# KiCad board MAXI030.kicad_pcb (continued)
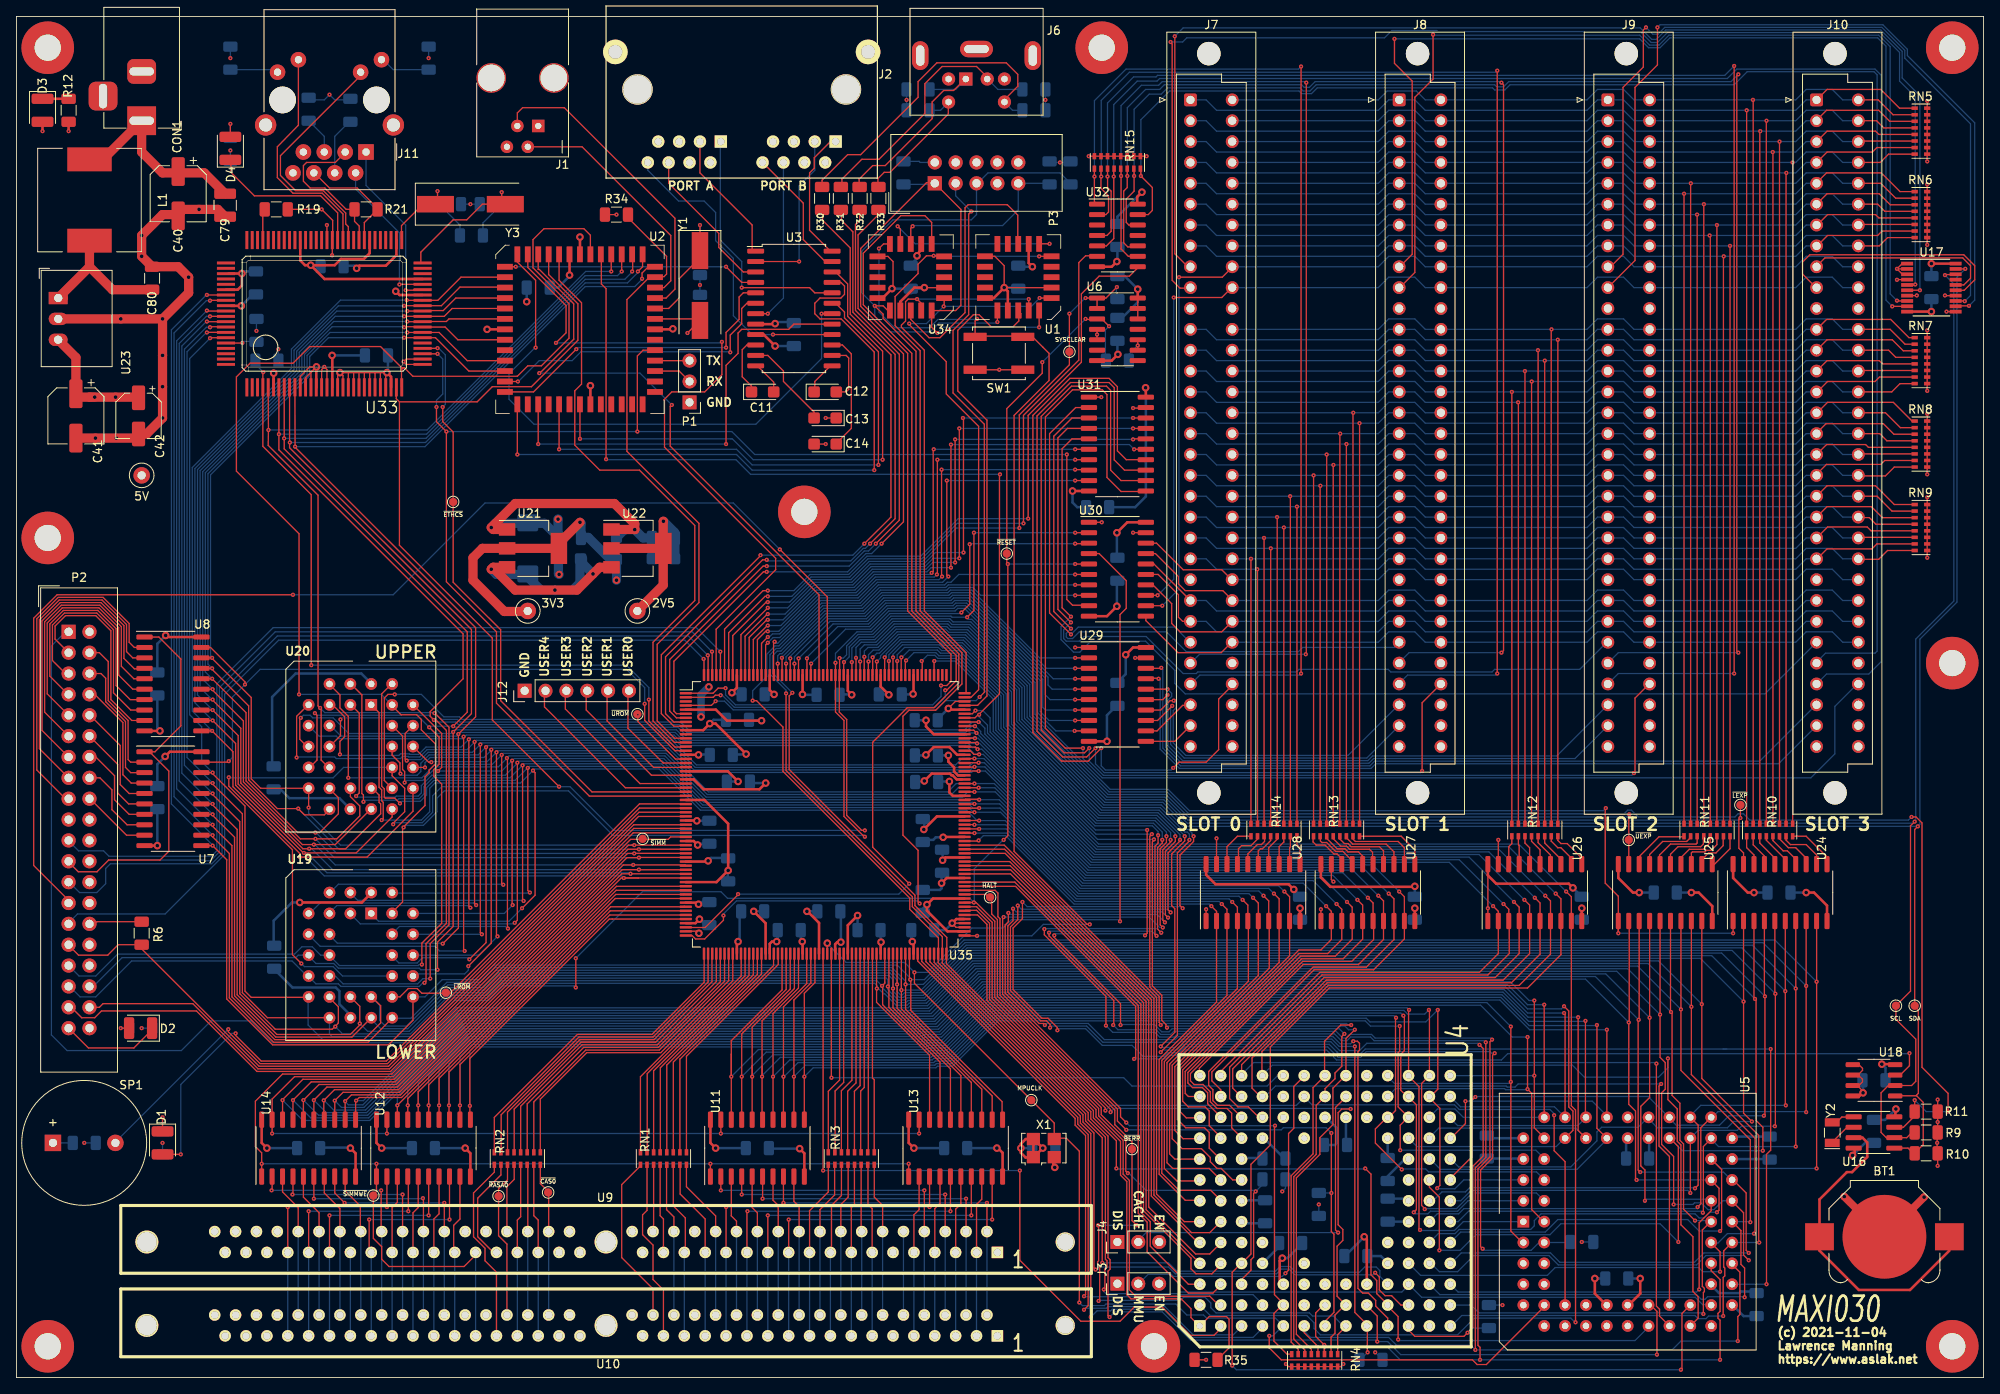
[diagram p0: board, top side]
## Nets (continued)
Net-(U2-Pad21): U2.21 U3.21
Net-(U2-Pad23): U2.23 U3.17
Net-(U2-Pad25): U2.25 U3.19
Net-(U2-Pad27): U2.27 U3.22
Net-(U18-Pad1): U18.1 Y2.2
Net-(U18-Pad2): U18.2 Y2.1

Pads without a net: J2 A2 A7 B2 B7; J6 7; J7 a24 c28 c30 c31; J8 a24 c28 c30 c31; J9 a24 c28 c30 c31; J10 a24 c28 c30 c31; J11 R7; P2 28 32 34; P3 6 7 8; U1 6 7 12 13 15 16 17; U2 16 22 24 26 29 30 31 32 33 34 35 39; U4 C2 D3 D5 E12 F4 F10 J12 J13 K5 M1 M2; U5 15; U6 6 8 11; U9 11 35 36 37 38 46 48 66 67 68 69 70 71 ctr lg sm; U10 11 35 36 37 38 46 48 66 67 68 69 70 71 ctr lg sm; U17 17; U32 3 11; U33 1 2 3 35 48 49 53 54 55 56 60 66 67 68 69 71 72 73 74 75 76 78 79 80 81 82 84 85 97 98 99 100; U34 6 7 15 16 17; U35 3 11 181 182 183 185 186 188 190 209 211 213

## Via types
v1: diameter 0.508, hole 0.203, Top to Bottom, 786 vias
v2: diameter 0.914, hole 0.457, Top to Bottom, 137 vias

## Routing (per net, layer and track width the routed paths; a pad name or vN(x,y) marks a point on that pad's centre or on a via; arc(x,y) is an arc through that point)
+2V5: length 139.2
  Top w0.305: U35.150 112.02,68.33 v2(110.43,66.74) ; U35.89 97.68,55.36 96.27,56.77 v2(96.2,56.77) ; 114.59,54.33 U35.122 113.31,54.33 110.81,56.83 v2(110.81,57.59) 111.54,58.33 U35.130 ; v2(110.69,80.04) 110.69,79.27 111.64,78.33 U35.170 ; 115.06,72.83 114.43,72.83 113.92,73.34 113.79,73.34 113.6,73.53 111.38,73.53 v2(110.49,72.64) ; v2(102.36,56.26) 101.18,55.07 U35.96 ; v2(90.68,79.98) 86.46,79.98 85.12,81.33 U35.5 ; v2(89.73,56.77) 91.18,55.32 U35.76 ; U35.47 85.2,60.33 v2(86.61,61.75) 86.61,67.44 83.72,70.33 U35.27 ; v2(87.82,72.58) 86.57,73.83 U35.20
  Top w1.118: v2(78.74,104.27) 78.72,104.24 U22.2 78.72,96.5 TP2.1 ; 78.55,101.03 78.49,100.97 72.42,100.97
  Vcc.Cu w0.914: v2(90.68,79.98) 85.95,79.98 75.57,90.37 TP2.1
  Bottom w0.305: 110.49,68.07 110.49,66.8 v2(110.43,66.74) ; v2(86.61,61.75) 86.56,61.7 86.56,60.48 ; C62.1 v2(96.2,56.77) ; C68.1 86.47,72.58 v2(87.82,72.58) ; C1.1 v2(89.73,56.77) ; v2(110.49,72.64) 110.43,72.58 109.4,72.58 ; C7.1 110.3,57.09 v2(110.81,57.59) ; v2(110.69,80.04) C3.1 ; v2(90.68,79.98) 89.2,79.98 ; C53.1 v2(102.36,56.26)
  Bottom w1.118: C38.1 80.14,99.83 80.01,99.69 ; v2(78.74,104.27) 80.07,102.93 80.07,102.36
+3V3: length 271.1
  Top w0.152: U34.5 110.5,132.71 v2(110.49,132.72) ; U1.14 119.06,136.53 120.21,135.38 v2(120.21,132.72) U1.5 ; 105.02,136.52 U34.14 106.06,136.52 106.68,135.89 106.68,132.72 ; U35.59 81.49,54.36 82.8,54.36 v2(83.06,54.1)
  Top w0.305: U1.20 120.65,132.27 v2(120.21,132.72) 118.94,131.44 U1.18 ; 107.57,129.92 107.57,131 109.28,132.72 v2(110.49,132.72) ; 106.68,132.72 v2(106.55,132.59) 105.4,131.44 U34.18 ; U35.140 113.05,63.33 v2(112.71,62.99) ; v2(113.41,75.76) 113.41,74.99 114.11,74.3 114.11,73.8 114.58,73.33 U35.160 ; 109.18,85.54 109.18,83.29 v2(109.12,83.24) ; v2(101.65,83.13) 101.18,83.61 U35.205 ; v2(82.91,64.85) 82.42,65.33 U35.37 ; v2(83.01,75.82) 83,75.83 U35.16 ; v2(92.52,53.09) 91.95,53.09 91.68,52.81 U35.77 ; v2(92.2,83.19) 91.68,83.71 U35.224 ; 109.18,51.62 109.18,52.94 v2(109.03,53.09) ; U35.57 82.64,55.33 v2(83.12,55.82)
  Top w1.118: 65.98,100.84 65.85,100.97 U21.2 56.71,100.97 55.56,99.82 55.56,97.09 59.37,93.28 62.17,93.28 ; U21.2 66.02,101.58 v2(68.58,104.14)
  Vcc.Cu w0.914: 67.37,92.71 67.37,90.03 70.26,87.15 74.84,87.15 83.22,78.77 ; 108.14,138.62 108.14,147.7 110.55,150.11 112.2,150.11 ; 108.2,138.62 108.27,138.56 108.27,134.3 v2(106.55,132.59) 106.49,132.52 106.49,107.82 95.69,97.03 73.09,97.03 v2(73.03,97.09) 72.96,97.03 72.14,97.03 67.82,92.71 67.31,92.71 66.68,93.34 TP1.1 ; 112.2,150.11 114.3,148.02 P3.4 ; 112.2,150.11 112.9,150.11 114.55,151.77 123.19,151.77 v1(127,147.96)
  Vcc.Cu w1.118: v2(120.21,132.72) 118.62,134.3 108.27,134.3
  Bottom w0.152: v1(127,147.96) 127.64,147.96 127.77,148.09 R26.1 ; v1(127,147.96) 125.86,147.96 R27.1 ; v1(127,147.96) 127,147.89
  Bottom w0.305: v2(120.21,132.72) 121.92,132.72 ; v2(110.49,132.72) 110.36,132.59 C61.1 106.56,132.59 v2(106.55,132.59) ; 84.28,55.09 83.85,55.09 v2(83.12,55.82) ; C65.1 108.9,53.22 v2(109.03,53.09) ; C8.1 v2(113.41,75.76) ; v2(101.65,83.13) 101.6,83.19 100.28,83.19 100.18,83.08 ; C69.1 83.06,65 v2(82.91,64.85) ; 107.75,83.08 107.85,83.19 109.07,83.19 v2(109.12,83.24) ; v2(92.52,53.09) 92.65,53.21 92.65,54.23 ; 84.38,75.87 83.06,75.87 v2(83.01,75.82) ; v2(112.71,62.99) 112.71,64.2 ; v2(92.2,83.19) 91.19,83.19
  Bottom w0.914: C61.1 108.84,132.33 ; v2(84.26,84.1) 83.31,83.15 v2(83.31,80.44)
  Bottom w1.118: v2(68.58,104.14) 68.71,104.01 C35.1 ; 68.83,102.3 69.6,102.3 72.28,99.62 C36.1 v2(73.03,97.09)
+5VD: length 507.7
  Top w0.152: U4.D10 151.45,29.15 ; 99.78,116.84 v1(98.49,116.84) ; v1(232.54,127.51) 232.54,126.75 232.53,126.74 232.53,120.14 v1(232.54,120.14) ; v1(232.54,137.92) 232.53,137.92 232.53,144.52 232.54,144.53 v1(232.54,145.29) ; v1(232.54,148.08) 232.53,148.08 232.53,154.68 232.54,154.69 v1(232.54,155.45) ; 179.07,62.23 v1(179.07,57.15) U26.1 ; R10.1 233.81,25.78 v1(233.81,25.78) ; 136.46,131.51 136.46,131.51 U6.13 136.46,128.84 136.4,128.78 ; 131.51,127 v1(131.51,127) ; 131.51,127 131.51,127.7 131.51,127.7 ; 131.51,127 U6.5 ; U17.14 234.72,131.74 v1(234.7,131.76) ; v1(232.54,117.35) 232.54,116.59 232.53,116.58 232.53,109.98 v1(232.54,109.98) ; 233.74,27.37 v1(233.74,28.58) 233.74,29.78 233.81,29.85 v1(233.81,31.11) ; 136.46,125.73 136.46,125.67 v1(136.46,125.67) ; 136.46,125.73 U6.10 ; 136.46,125.73 136.46,125.03 136.46,125.03 ; v1(234.89,129.79) 234.89,129.79 U17.11 ; v1(233.81,31.11) 233.81,31.12 ; v1(233.81,31.11) R11.1 233.81,33.84 v1(233.81,33.85) ; v1(161.48,1.65) 161.17,1.34 RN4.16 ; v1(228.85,133.67) 228.88,133.69 230.09,133.69 ; 230.09,131.74 231.24,131.74 v1(231.27,131.76) ; 223.77,38.1 224.22,38.1 224.66,37.66 224.66,37.4 224.09,36.83 U16.6 ; v1(137.54,148.72) 137.54,148.72 RN15.9 136.84,148.72 RN15.16 130.49,148.72 v1(130.49,148.72) ; 160.78,1.33 160.78,1.34 RN4.9 154.81,1.34 v1(154.5,1.65) ; v2(224.73,34.67) 224.73,34.86 224.09,35.5 224.16,35.5 224.66,36 224.66,36.32 224.16,36.83 223.65,36.83 ; U33.16 37.79,122.74 v1(37.47,123.06) 37.14,122.74 U33.15 ; v1(232.54,99.82) 232.53,99.82 RN9.9 232.53,106.36 232.54,106.36 v1(232.54,107.19) ; U31.1 v1(132.02,119.38) ; U33.65 37.79,140.33 v1(37.78,140.34) ; U30.1 v1(132.08,104.14) ; U28.1 v1(144.78,57.02) ; U29.1 v1(128.84,88.9) ; U27.1 v1(158.75,57.02) ; U33.31 47.45,123.37 v1(47.12,123.7) 47.43,124.02 U33.32 ; 143.38,2.16 v1(144.78,2.16) ; R34.2 v1(73.03,141.6)
  Top w0.305: 90.36,127 90.93,127 v2(92.33,125.6) ; 193.48,8.83 192.09,10.22 v2(192.09,12.06) ; v2(228.73,32.7) 228.66,32.64 228.66,31.75 ; v2(135,88.01) 135.89,88.9 U29.20 ; v2(170.18,59.82) 170.12,59.75 159.89,59.75 158.75,60.9 158.75,62.17 ; 22.42,90.17 18.35,90.17 v2(18.16,90.36) ; U7.20 18.67,76.2 v2(18.1,75.63) ; U14.20 29.85,28.58 v2(30.48,27.94) ; U33.6 31.29,122.29 v2(31.31,122.3) ; U11.20 84.46,28.58 v2(85.09,27.94) ; v2(109.22,27.94) 108.59,28.58 108.59,31.43 U13.20 ; U24.20 208.92,60.83 210.69,59.06 v2(211.46,59.06) ; U12.20 43.82,28.58 v2(44.45,27.94) ; U33.47 37.49,133.77 v2(35.81,135.45) ; v2(34.48,57.85) 42.04,57.85 43.18,58.99 U19.32 ; v2(35.81,135.45) 38.74,135.45 39.5,136.21 42.29,136.21 42.99,136.91 U33.57 ; v2(35.81,135.45) 35.12,135.45 34.54,136.02 U33.70 ; v2(197.49,59.06) 196.72,59.06 194.94,60.83 U25.20 ; v2(155.45,59.44) 154.81,60.07 145.92,60.07 144.78,61.21 144.78,62.36 144.84,62.42 ; U33.17 38.44,124.44 v2(38.42,124.46) ; U16.8 224.28,34.29 224.73,34.73 v2(224.73,34.67) ; U31.20 137.45,120.49 v2(137.41,120.52) ; v2(136.46,132.52) 136.46,131.51 ; U30.20 135.19,104.14 v2(133.92,102.87) ; 123.76,26.8 122.81,26.8 122.24,27.37 v2(122.24,27.94) 122.24,28.45 122.83,29.04 X1.4 ; 123.76,26.8 123.83,26.86 ; 123.76,26.8 X1.4 ; D3.2 v1(3.18,151.77) ; 179.13,62.42 179.07,62.36 179.07,61.15 180.09,60.13 188.91,60.13 v2(189.42,59.63) ; X1.4 123.8,29.04 v2(124.9,27.94) 123.8,26.84 X1.1 ; v2(233.05,135.64) 235.97,135.64 ; v2(136.97,144.34) 136.4,143.76 136.4,142.94 ; v2(27.37,130.49) 26.1,130.49 ; U2.2 v2(67.31,134.24)
  Top w1.118: 14.61,119.38 v2(12.07,119.38) 8.89,119.38 ; 8.89,119.38 v2(9.53,119.38) ; 8.89,119.38 7.65,119.38 7.24,119.79 7.24,124.21 U23.3 ; U21.3 58.03,98.66 v2(57.79,98.43) 58.17,98.43 60.71,95.88 68.2,95.88 v2(70.17,97.85) 70.98,98.66 72.42,98.66
  Bottom w0.152: R16.2 108.33,155.58 v1(108.33,155.58) 108.33,155.57 R15.2 ; R14.2 125.23,155.58 v1(125.22,155.58) 125.23,155.57 R13.2 ; R23.2 v1(50.17,160.66) ; v1(136.46,125.67) 135.38,124.59 R5.2 ; R7.1 v1(15.24,42.55) ; 154.44,24.13 154.44,23.05 v1(154.05,22.67) ; R28.1 166.25,2.18 v1(165.35,3.07) ; R24.2 v1(26.04,160.66) ; R22.1 v1(26.04,149.42) ; R29.1 v1(158.5,21.08) ; R4.1 v1(190.5,16.51) ; U9.59 U10.59 ; U10.10 U9.10 ; R8.1 v1(180.85,8.83)
  Bottom w0.305: v2(92.33,125.6) 92.33,125.6 C16.1 ; v2(137.41,120.52) 137.45,120.49 137.45,107.28 136.14,105.98 C49.1 ; U4.K10 166.88,26.92 166.75,26.8 ; C17.1 195.89,28.83 196.15,29.08 ; v2(170.18,59.82) C43.1 ; C82.1 169.61,18.99 ; C19.1 134.56,129.03 136.46,130.94 v2(136.46,132.52) 134.87,134.12 R1.1 ; v2(18.1,75.63) 17.15,74.68 C22.1 ; v2(109.22,27.94) 112.9,27.94 112.97,28 ; v2(197.49,59.06) 199.39,59.06 ; v2(27.37,130.49) 28.77,131.89 C55.1 ; v2(122.24,27.94) C45.1 ; C30.1 v2(233.05,135.64) ; v2(30.48,27.94) 33.97,27.94 ; v2(211.46,59.06) 213.36,59.06 ; C18.1 209.05,29.34 208.92,29.21 ; U4.H11 161.8,28.77 162.05,28.51 ; 166.88,13.97 166.05,14.8 C72.1 ; C81.1 153.67,15.94 151.7,13.97 ; C23.1 17.15,89.34 v2(18.16,90.36) ; C15.1 65.91,132.72 67.31,134.11 v2(67.31,134.24) ; v2(34.48,57.85) 33.53,57.85 31.31,55.63 31.31,52.45 ; 179.13,29.4 179.39,29.15 U5.61 ; 154.31,26.67 151.83,29.15 U4.D10 ; C77.1 210.19,7.49 208.92,8.76 ; 43.18,84.52 41.97,85.72 33.97,85.72 31.12,82.87 31.12,74.3 31.18,74.23 ; v2(189.42,59.63) 190.5,58.55 C46.1 ; C51.1 133.99,141.35 v2(136.97,144.34) ; v2(133.92,102.87) 133.92,99.89 C50.1 ; v2(135,88.01) 135,85.66 133.99,84.65 C52.1 ; v2(228.73,32.7) 227.4,31.38 C29.1 ; 149.16,18.99 149.36,18.79 151.96,18.79 ; v2(35.81,135.45) 36.83,135.45 36.89,135.38 ; v2(44.45,27.94) 48.01,27.94 ; v2(38.42,124.46) 42.48,124.46 ; C47.1 156.21,58.67 v2(155.45,59.44) ; v2(85.09,27.94) 88.65,27.94 ; 166.88,29.08 167,29.21 ; C73.1 v2(192.09,12.06) ; v2(224.73,34.67) 224.73,36.07
  Bottom w1.118: v2(65.53,95.88) 63.82,95.88 62.23,97.47 C34.1 ; v2(65.53,95.88) 67.69,95.88 68.58,96.77 68.58,99.57 ; v2(65.53,95.88) 65.53,95.82 ; v2(57.79,98.43) 58.42,97.79 62.23,97.79 ; v2(70.17,97.85) 68.9,99.12 68.9,99.76
GNDA: length 560
  Top w0.152: v1(119.6,122.71) 116.94,122.71 ; v1(119.6,122.71) SW1.2 ; v1(119.6,122.71) 119.63,122.75 ; C14.2 v1(98.49,113.66) ; v1(38.42,136.65) 38.44,136.67 U33.64 ; U33.26 44.29,122.33 44.32,122.36 ; v2(113.41,81.47) 114.27,82.33 U35.178 ; U33.23 42.34,122.32 ; v2(36.51,123.06) 35.69,123.06 34.54,121.92 U33.11 ; v2(36.51,123.06) 35.19,121.74 U33.12 ; v2(36.51,123.06) 35.84,122.39 U33.13 ; U35.123 114.33,54.83 113.86,55.31 v2(113.88,55.33) U35.124 ; U30.19 v1(135.89,102.87) ; U28.19 v1(146.05,65.66) ; 230.09,134.99 228.87,134.99 v1(228.85,135) ; U33.20 40.39,122.31 ; 230.09,135.64 229.49,135.64 v1(228.85,135) ; v1(228.85,135) 229.52,134.34 230.09,134.34 ; U29.19 v1(136.14,87.63) ; U33.18 39.09,122.08 v2(39.37,122.36) ; R19.1 v1(37.15,142.24) 38.48,140.91 38.48,138.94 ; U33.22 41.69,122.33 ; v1(135.89,118.05) 137.54,118.05 137.6,118.11 137.45,118.11 ; 43.56,122.36 43.69,122.36 43.64,122.32 U33.25 ; 43.56,122.36 v2(45.09,122.36) ; 43.56,122.36 v2(39.37,122.36) ; 9.53,55.25 9.79,55.51 R6.1 ; U33.19 39.74,121.99 v2(39.37,122.36) ; U33.27 44.94,122.22 ; U33.24 42.99,122.36 ; U33.21 41.04,122.32 ; v1(160.27,60.39) 160.02,60.64 U27.19 ; U26.19 v1(180.34,65.47)
  Top w0.305: v2(109.6,136.59) 109.6,136.78 110.17,137.35 110.17,137.96 U34.10 ; 89.97,128.27 92.27,128.27 v2(92.33,128.33) ; U1.10 123.19,135.7 v2(123.63,135.25) ; U35.216 95.68,83.2 v2(95.66,83.19) ; U33.44 46.62,131.81 v2(46.16,132.27) ; v2(87.82,53.09) 87.68,52.94 87.68,51.62 ; v2(40.64,27.94) 41.28,27.31 U14.10 ; v2(95.63,53.09) 95.68,53.04 U35.85 ; U35.155 113.96,70.83 113.54,71.25 v2(113.54,72.58) ; U2.40 79.82,127.63 v2(79.88,127.7) ; v2(233.05,129.79) 230.31,129.79 ; U33.28 45.59,121.86 v2(45.09,122.36) 44.94,122.22 ; v2(100.33,53.02) 99.89,53.02 99.63,52.77 99.63,51.88 ; v2(36.51,123.06) 36.49,123.04 U33.14 ; v2(113.88,55.33) 114.38,55.83 U35.125 ; 126.17,26.86 126.17,25.78 v2(126.37,25.59) 126.43,25.65 ; U35.22 82.42,72.83 82.42,72.83 83.63,71.63 90.42,71.63 v2(91.19,72.39) ; v2(227.01,38.16) 228.41,38.16 ; R12.2 v1(6.35,151.77) ; 119.38,28 120.02,27.37 120.02,24.13 ; v2(87.07,83.39) 87.68,83.99 87.68,85.54 ; v2(110.68,75.82) 111.63,76.77 113.54,76.77 114.48,75.83 U35.165 ; v2(105.22,53.02) 105.18,52.98 U35.104 ; U35.176 113.55,81.33 v2(113.41,81.47) ; v2(84.18,62.92) 84.09,62.83 U35.42 ; U2.28 v2(69.85,120.78) ; v2(88.8,75.92) 85.09,79.63 v2(84.38,79.63) 83.58,78.83 U35.10 ; v2(112.78,65.79) 112.82,65.83 U35.145 ; U35.135 113.22,60.83 v2(112.59,60.2) ; 223.71,27.81 223.71,27.31 v2(223.46,27.05) ; v2(128.52,107.95) 130.52,107.95 ; U26.10 v2(190.5,57.15) ; v2(156.21,57.15) 156.21,55.25 ; U2.14 v2(57.28,127.63) ; U12.10 55.25,27.31 v2(54.61,27.94) ; U30.10 132.72,92.71 v2(133.92,93.92) ; v2(197.61,12.06) 197.61,10.22 196.22,8.83 ; U11.10 95.89,27.31 v2(95.31,27.88) ; 154.18,11.24 153.73,11.68 153.73,14.22 v2(154.05,14.54) ; U2.1 68.58,136.72 v2(68.58,138.87) ; v2(134.05,124.59) 133.29,123.83 U6.7 ; U35.197 105.18,84.13 v2(106.17,83.13) ; v2(203.84,59.06) 204.72,59.06 206.38,57.4 U25.10 ; v2(17.46,78.74) 16.13,78.74 ; v2(170.18,57.15) 170.18,55.88 ; U33.86 26.93,132.47 27.43,132.97 v2(27.43,134.43) 25.84,134.43 ; 164.34,11.62 164.34,16.83 v2(164.02,17.15) ; v2(217.81,59.06) 218.76,59.06 220.34,57.47 220.34,55.88 ; v2(133.92,135.89) 133.29,135.25 U32.7 ; v2(82.8,67.79) 82.77,67.83 U35.32 ; U29.10 v2(132.72,77.47) ; v2(17.15,64.77) 15.43,64.77 ; v2(83.01,57.63) 82.81,57.83 U35.52 ; U33.52 46.24,136.66 44.96,135.38 41.72,135.38 v2(41.4,135.06)
  Top w0.914: v2(232.16,21.97) BT1.2 v2(222.44,22.03)
  Top w1.118: C41.2 v2(9.62,114.39) 14.7,114.39 14.86,114.55 ; 72.42,103.27 75.23,103.27 v2(75.25,103.25) 75.25,103.95 72.77,106.43 60.71,106.43 v2(57.79,103.5) 58.03,103.27 U21.1 ; v2(17.78,128.91) v2(12.7,128.91) U23.2 ; v2(17.78,128.91) v2(17.78,124.46) v2(17.78,120.65) v2(17.78,116.84) 15.83,114.89 C42.2 ; v2(17.78,128.91) 20.96,132.08 v2(20.96,133.99) 19.69,135.25 C80.2 v2(15.24,136.53) v2(15.24,139.06) 17.78,141.6 19.69,141.6 20.32,142.24 v2(22.23,142.24) 24.51,142.24 C79.2
  Bottom w0.152: R20.1 31.88,125.22 v1(31.88,125.22) ; 40.64,155.58 38.74,155.58 v1(38.1,156.21) 37.47,155.58 35.56,155.58 ; v1(55.25,142.88) 56.26,142.88 ; 54.67,142.88 55.18,142.88 ; C30.2 233.04,131.31 ; C9.2 v1(83.19,133.03) 83.19,131.7 ; 9.66,28.58 v1(8.26,28.58) ; R17.1 v1(29.21,127.44) ; R25.2 109.85,148.09 ; 109.85,148.09 109.86,148.08 ; 109.85,148.09 109.98,147.96 P3.2 ; R3.1 v1(17.78,28.58)
  Bottom w0.305: v2(92.33,128.33) 92.52,128.52 94.49,128.52 ; 108.9,135.57 109.6,136.27 v2(109.6,136.59) ; v2(123.63,135.25) 121.92,135.25 ; v2(82.8,67.79) 84.28,67.79 ; C73.2 v2(197.61,12.06) ; C33.2 32.13,71.62 33.21,70.55 39.31,70.55 U20.16 ; v2(84.38,79.63) 84.84,80.09 C70.2 ; v2(95.63,53.09) 95.45,53.27 95.45,54.23 ; C75.2 149.42,21.59 149.29,21.46 ; 88.29,83.24 87.22,83.24 v2(87.07,83.39) ; v2(91.19,72.39) 89.22,72.39 ; v2(154.05,14.54) 154.69,14.54 156.47,16.32 C81.2 ; C30.2 v2(233.05,129.79) ; 206.31,11.37 U5.30 206.25,11.24 207.2,10.29 209.68,10.29 209.87,10.48 211.2,10.48 211.26,10.41 ; C82.2 169.16,21.79 169.35,21.59 ; v2(113.41,81.47) 112.22,80.28 112.22,80.01 ; v2(190.5,57.15) 190.5,55.88 ; C27.2 v2(119.32,27.94) 119.38,28 ; v2(83.01,57.63) 83.27,57.89 84.28,57.89 ; C55.2 27.69,134.69 v2(27.43,134.43) ; C28.2 227.46,37.72 v2(227.01,38.16) ; v2(41.4,135.06) 41.08,135.38 39.88,135.38 ; C8.2 110.62,75.76 v2(110.68,75.82) ; v2(17.46,78.74) 17.15,79.06 C23.2 ; C65.2 113.03,54.48 v2(113.88,55.33) 113.73,55.18 ; v2(100.33,53.02) 100.33,56.58 100.27,56.64 ; v2(84.18,62.92) 84.53,63.27 86.56,63.27 ; 36.96,28 40.58,28 v2(40.64,27.94) ; 88.01,56.77 88.01,53.28 v2(87.82,53.09) ; v2(112.78,65.79) 111.89,65.79 111.57,65.47 110.49,65.47 110.17,65.15 ; v2(132.72,77.47) 132.72,80.65 133.86,81.78 C52.2 ; 133.99,126.43 133.99,124.65 v2(134.05,124.59) ; v2(223.46,27.05) 224.98,28.58 C29.2 ; C26.2 v2(54.61,27.94) ; v2(105.22,53.02) 105.16,53.08 C53.2 ; v2(133.92,93.92) 133.92,96.96 ; C54.2 95.71,83.13 v2(95.66,83.19) ; C47.2 v2(156.21,57.15) ; 213.36,26.67 213.3,26.61 U5.41 ; C22.2 v2(17.15,64.77) ; C76.2 160.46,28.32 160.72,28.58 160.72,30.35 159.26,31.81 ; v2(95.31,27.88) 91.63,27.88 ; 105.16,83.08 105.26,83.19 106.12,83.19 v2(106.17,83.13) ; C43.2 v2(170.18,57.15) ; U4.L9 168.97,26.61 166.69,24.32 ; 112.01,72.52 112.08,72.58 v2(113.54,72.58) ; C45.2 126.43,25.78 126.37,25.71 v2(126.37,25.59) ; 133.99,137.67 133.99,135.95 v2(133.92,135.89) ; C56.2 45.22,122.49 v2(45.09,122.36) ; v2(164.02,17.15) 161.67,14.8 C72.2 ; v2(128.52,107.95) 128.52,106.55 129.1,105.98 130.05,105.98 ; U19.16 40.64,44.13 39.31,45.47 39.31,47.05 38.86,47.5 33.59,47.5 31.24,49.85 ; 151.64,26.74 149.23,26.74 U4.C9 ; C17.2 198.69,29.02 198.69,29.02 ; v2(203.84,59.06) 201.93,59.06 ; 112.65,61.4 112.59,61.34 v2(112.59,60.2) 112.59,59.57 112.4,59.38 C7.2 ; C74.2 183.58,26.67 ; C15.2 v2(62.1,131) ; v2(88.8,75.92) 88.75,75.87 87.17,75.87 ; 86.87,79.98 86.72,80.14 ; C44.2 v2(217.81,59.06)
  Bottom w1.118: v2(65.91,104.52) 65.91,104.52 C35.2 ; 77.47,99.69 77.34,99.83 C38.2 ; 66.04,99.69 66.04,102.24 64.26,104.02 58.3,104.02 v2(57.79,103.5) ; 77.28,102.24 76.26,102.24 v2(75.25,103.25) 74.01,103.25 73.07,102.31 C36.2 ; C37.2 65.96,97.87 v2(66.04,97.79)
  vias: v2(12.16,114.39)
/FPGA/USER0: length 12.9
  Top w0.152: U35.18 78.71,74.83 78.68,74.87 74.42,79.06 74.42,83.19
/FPGA/USER1: length 15
  Top w0.152: 81.28,74.3 77.53,74.3 71.88,79.95 71.88,83.19
/FPGA/USER2: length 17.3
  Top w0.152: 81.47,73.41 81.41,73.34 77.28,73.34 69.34,81.28 69.34,83.19
/FPGA/USER3: length 19.8
  Top w0.152: 66.8,83.19 66.8,81.41 75.88,72.33 81.03,72.33
/FPGA/USER4: length 22.9
  Top w0.152: 81.53,71.82 74.1,71.82 64.26,81.66 64.26,83.19
/IDE/IDED0: length 17.6
  Top w0.152: 15.43,74.93 13.91,74.93 13.59,75.25 13.59,80.01 11.18,82.42 11.18,87.19 10.1,88.27 P2.4
/IDE/IDED1: length 16.7
  Top w0.152: 15.59,73.66 13.91,73.66 13.27,74.3 13.27,79.88 10.86,82.3 10.86,85.15 10.29,85.72 8.83,85.72
/IDE/IDED2: length 14.7
  Top w0.152: 15.37,72.39 13.97,72.39 12.95,73.41 12.95,79.76 9.53,83.19 P2.8
/IDE/IDED3: length 13.5
  Top w0.152: 15.37,71.12 15.49,71.12 13.72,71.12 12.64,72.2 12.64,76.96 8.95,80.65 P2.10
/IDE/IDED4: length 12.2
  Top w0.152: P2.12 12.32,74.68 12.32,71.18 13.65,69.85 U7.6
/IDE/IDED5: length 11
  Top w0.152: 15.3,68.52 15.24,68.58 13.72,68.58 11.94,70.36 11.94,73.28 9.65,75.56 P2.14
/IDE/IDED6: length 10.6
  Top w0.152: P2.16 10.16,73.03 11.62,71.56 11.62,69.15 13.46,67.31 15.75,67.31
/IDE/IDED7: length 8.3
  Top w0.152: P2.18 8.95,70.49 13.4,66.04 15.37,66.04
/IDE/IDED8: length 40.9
  Top w0.152: P2.17 5.97,70.49 2.48,73.98 2.48,92.39 5.08,95 10.54,95 13.72,91.82 13.72,89.53 14.35,88.9 14.73,88.9
/IDE/IDED9: length 39.3
  Top w0.152: 6.29,73.09 2.79,76.58 2.79,92.27 5.21,94.68 10.41,94.68 13.4,91.69 13.4,88.39 14.16,87.63 U8.3
/IDE/IDED10: length 36.4
  Top w0.152: P2.13 3.11,78.8 3.11,92.14 5.33,94.36 10.29,94.36 13.08,91.57 13.08,87.57 14.35,86.3 14.86,86.3 14.92,86.36
/IDE/IDED11: length 34
  Top w0.152: P2.11 3.43,81.03 3.43,92.01 5.46,94.04 10.16,94.04 12.76,91.44 12.76,86.61 14.29,85.09 14.92,85.09
/IDE/IDED12: length 32.3
  Top w0.152: 15.49,83.82 14.16,83.82 12.45,85.53 12.45,91.31 10.03,93.73 5.59,93.73 3.75,91.88 3.75,83.25 P2.9
/IDE/IDED13: length 30.3
  Top w0.152: U8.7 13.84,82.55 12.13,84.26 12.13,91.19 9.91,93.41 5.72,93.41 4.06,91.76 4.06,85.41 6.29,83.19
/IDE/IDED14: length 28.1
  Top w0.152: P2.5 5.97,85.72 4.38,87.31 4.38,91.63 5.84,93.09 9.78,93.09 11.81,91.06 11.81,83.38 13.91,81.28 15.49,81.28 15.56,81.22
/IDE/IDED15: length 25.5
  Top w0.152: U8.9 14.03,80.01 11.49,82.55 11.49,90.93 9.65,92.77 5.97,92.77 4.7,91.5 4.7,89.92 P2.3
/SIMM/SD0: length 41.6
  Top w0.152: v1(118.11,21.27) U9.2 ; U11.8 v1(93.34,21.27)
  Bottom w0.152: U9.2 U10.2 ; v1(93.34,21.27) v1(118.11,21.27)
/SIMM/SD1: length 41.4
  Top w0.152: U11.6 v1(90.81,21.78) ; v1(115.57,21.78) 115.57,17.97
  Bottom w0.152: U10.4 U9.4 ; v1(90.81,21.78) v1(115.57,21.78)
/SIMM/SD2: length 41.6
  Top w0.152: U11.4 v1(88.27,22.29) ; v1(113.03,22.29) 113.03,17.91 113.09,17.84
  Bottom w0.152: U10.6 U9.6 ; v1(88.27,22.29) v1(113.03,22.29)
/SIMM/SD3: length 41.2
  Top w0.152: v1(110.49,22.8) 110.49,18.22 ; v1(85.73,22.8) U11.2
  Bottom w0.152: v1(85.73,22.8) v1(110.49,22.8) ; U9.8 U10.8
/SIMM/SD4: length 17.2
  Top w0.152: 94.62,24.77 94.62,21.46 95.25,20.83 95.25,18.03
  Bottom w0.152: U9.20 U10.20
/SIMM/SD5: length 17.4
  Top w0.152: U9.22 92.71,20.95 92.08,21.59 92.08,24.77
  Bottom w0.152: U9.22 U10.22
/SIMM/SD6: length 17.5
  Top w0.152: 90.04,17.78 90.17,17.91 90.17,20.07 89.54,20.7 89.54,24.77
  Bottom w0.152: U10.24 U9.24
/SIMM/SD7: length 16.9
  Top w0.152: 87,24.13 87,19.69 87.63,19.05 87.63,17.65
  Bottom w0.152: U9.26 U10.26
/SIMM/SD8: length 19.5
  Top w0.152: U12.9 53.98,19.3 53.21,18.54 53.21,15.49
  Bottom w0.152: U10.49 U9.49
/SIMM/SD9: length 19.5
  Top w0.152: 51.44,24.48 51.44,19.94 50.8,19.3 50.8,15.37
  Bottom w0.152: U9.51 U10.51
/SIMM/SD10: length 19.5
  Top w0.152: 48.26,15.37 48.26,20.07 48.9,20.7 U12.5
  Bottom w0.152: U9.53 U10.53
/SIMM/SD11: length 19.7
  Top w0.152: U12.3 46.36,21.34 45.72,20.7 U9.55
  Bottom w0.152: U9.55 U10.55
/SIMM/SD12: length 29.2
  Top w0.152: 43.12,15.3 42.93,15.49 v1(42.93,19.24) ; v1(52.71,19.24) U12.8
  Bottom w0.152: v1(52.71,19.24) v1(42.93,19.24) ; U9.57 U10.57
/SIMM/SD13: length 31.6
  Top w0.152: v1(38.1,19.75) U9.61 ; v1(50.17,19.75) 50.17,24.64
  Bottom w0.152: v1(50.17,19.75) v1(38.1,19.75) ; U9.61 U10.61
/SIMM/SD14: length 31.3
  Top w0.152: v1(47.69,20.26) 47.69,24.26 ; U9.63 v1(35.56,20.26)
  Bottom w0.152: U9.63 U10.63 ; v1(47.69,20.26) v1(35.56,20.26)
/SIMM/SD15: length 31.7
  Top w0.152: v1(45.09,20.76) 45.09,24.64 ; U9.65 v1(33.02,20.76)
  Bottom w0.152: v1(33.02,20.76) v1(45.09,20.76) ; U10.65 U9.65 33.08,15.24
/SIMM/SD16: length 19.6
  Top w0.152: U13.8 117.48,21.72 116.84,21.08 116.84,15.3
  Bottom w0.152: U9.3 U10.3
/SIMM/SD17: length 19.7
  Top w0.152: 114.94,24.51 115,24.57 ; U9.5 114.3,20.51 114.94,21.15 114.94,24.45
  Bottom w0.152: U9.5 U10.5
/SIMM/SD18: length 19.6
  Top w0.152: 112.4,24.45 112.4,21.21 111.76,20.57 U9.7
  Bottom w0.152: U9.7 U10.7
/SIMM/SD19: length 19.6
  Top w0.152: 109.28,15.3 109.22,15.37 109.22,19.81 109.86,20.45 U13.2
  Bottom w0.152: U9.9 U10.9
/SIMM/SD20: length 44.2
  Top w0.152: v1(118.75,19.24) 118.75,24.45 118.81,24.51 ; U9.21 v1(93.98,19.24)
  Bottom w0.152: U9.21 U10.21 ; v1(93.98,19.24) v1(118.75,19.24)
/SIMM/SD21: length 44
  Top w0.152: v1(91.44,19.75) 91.44,15.37 ; U13.7 v1(116.21,19.75)
  Bottom w0.152: v1(91.44,19.75) v1(116.21,19.75) ; U9.23 U10.23
/SIMM/SD22: length 44
  Top w0.152: 113.73,24.32 113.67,24.26 v1(113.67,20.26) ; v1(88.96,20.26) 88.9,20.19 U9.25
  Bottom w0.152: v1(113.67,20.26) v1(88.96,20.26) ; U10.25 U9.25
/SIMM/SD23: length 44.2
  Top w0.152: U13.3 v1(111.12,20.76) ; v1(86.36,20.76) 86.36,15.18
  Bottom w0.152: v1(111.12,20.76) v1(86.36,20.76) ; U9.27 U10.27
/SIMM/SD24: length 29.3
  Top w0.152: v1(52.07,21.27) 52.07,18.03 52.13,17.97 ; U14.8 38.74,22.48 v1(39.94,21.27)
  Bottom w0.152: v1(39.94,21.27) v1(52.07,21.27) ; U9.50 U10.50
/SIMM/SD25: length 30.1
  Top w0.152: v1(49.47,21.84) 49.53,21.78 49.53,17.91 ; U14.6 v1(36.2,21.78)
  Bottom w0.152: v1(49.47,21.84) 49.4,21.78 v1(36.2,21.78) ; U10.52 U9.52
/SIMM/SD26: length 30.2
  Top w0.152: v1(46.99,22.29) 46.99,17.84 ; U14.4 33.66,22.35 v1(33.59,22.29)
  Bottom w0.152: U10.54 U9.54 ; v1(33.59,22.29) v1(46.99,22.29)
/SIMM/SD27: length 30
  Top w0.152: U14.2 31.12,22.86 v1(31.05,22.8) ; v1(44.39,22.8) 44.39,17.97
  Bottom w0.152: v1(31.05,22.8) v1(44.39,22.8) ; U10.56 U9.56
/SIMM/SD28: length 17.5
  Top w0.152: U14.9 40.01,22.73 41.85,20.89 41.85,17.97 41.91,17.91
  Bottom w0.152: U10.58 U9.58
/SIMM/SD29: length 18.1
  Top w0.152: 39.62,17.78 U9.60 39.37,20.57 37.47,22.48 37.47,24.64
  Bottom w0.152: U10.60 U9.60
/SIMM/SD30: length 17.7
  Top w0.152: U9.62 36.83,20.07 34.93,21.97 34.93,24.51
  Bottom w0.152: U10.62 U9.62
/SIMM/SD31: length 17.6
  Top w0.152: 32.39,24.38 32.39,22.61 34.29,20.7 U9.64
  Bottom w0.152: U10.64 U9.64
A0: length 288.8
  Top w0.152: v1(188.6,59.18) 189.23,58.55 U26.9 189.23,33.08 189.74,32.58 v1(189.74,6.73) ; v1(119.7,109.98) 119.63,109.92 119.63,83.25 117.16,80.77 v1(117.16,80.71) 117.03,80.71 116.65,80.33 U35.174 ; 71.18,136.72 71.18,133.16 71.76,132.59 v1(71.76,111.82)
  Bottom w0.152: v1(119.7,109.98) 89.34,109.98 87.57,111.76 71.82,111.76 v1(71.76,111.82) ; v1(117.16,80.71) 117.16,80.45 118.17,79.44 118.17,78.49 131.7,64.96 182.82,64.96 v1(188.6,59.18) ; U4.A2 145.29,7.56 157.04,7.56 157.92,6.67 157.92,5.97 158.69,5.21 175.39,5.21 177.42,7.24 189.17,7.24 189.67,6.73 v1(189.74,6.73)
A1: length 463